# KiCad board mobo.kicad_pcb (continued)
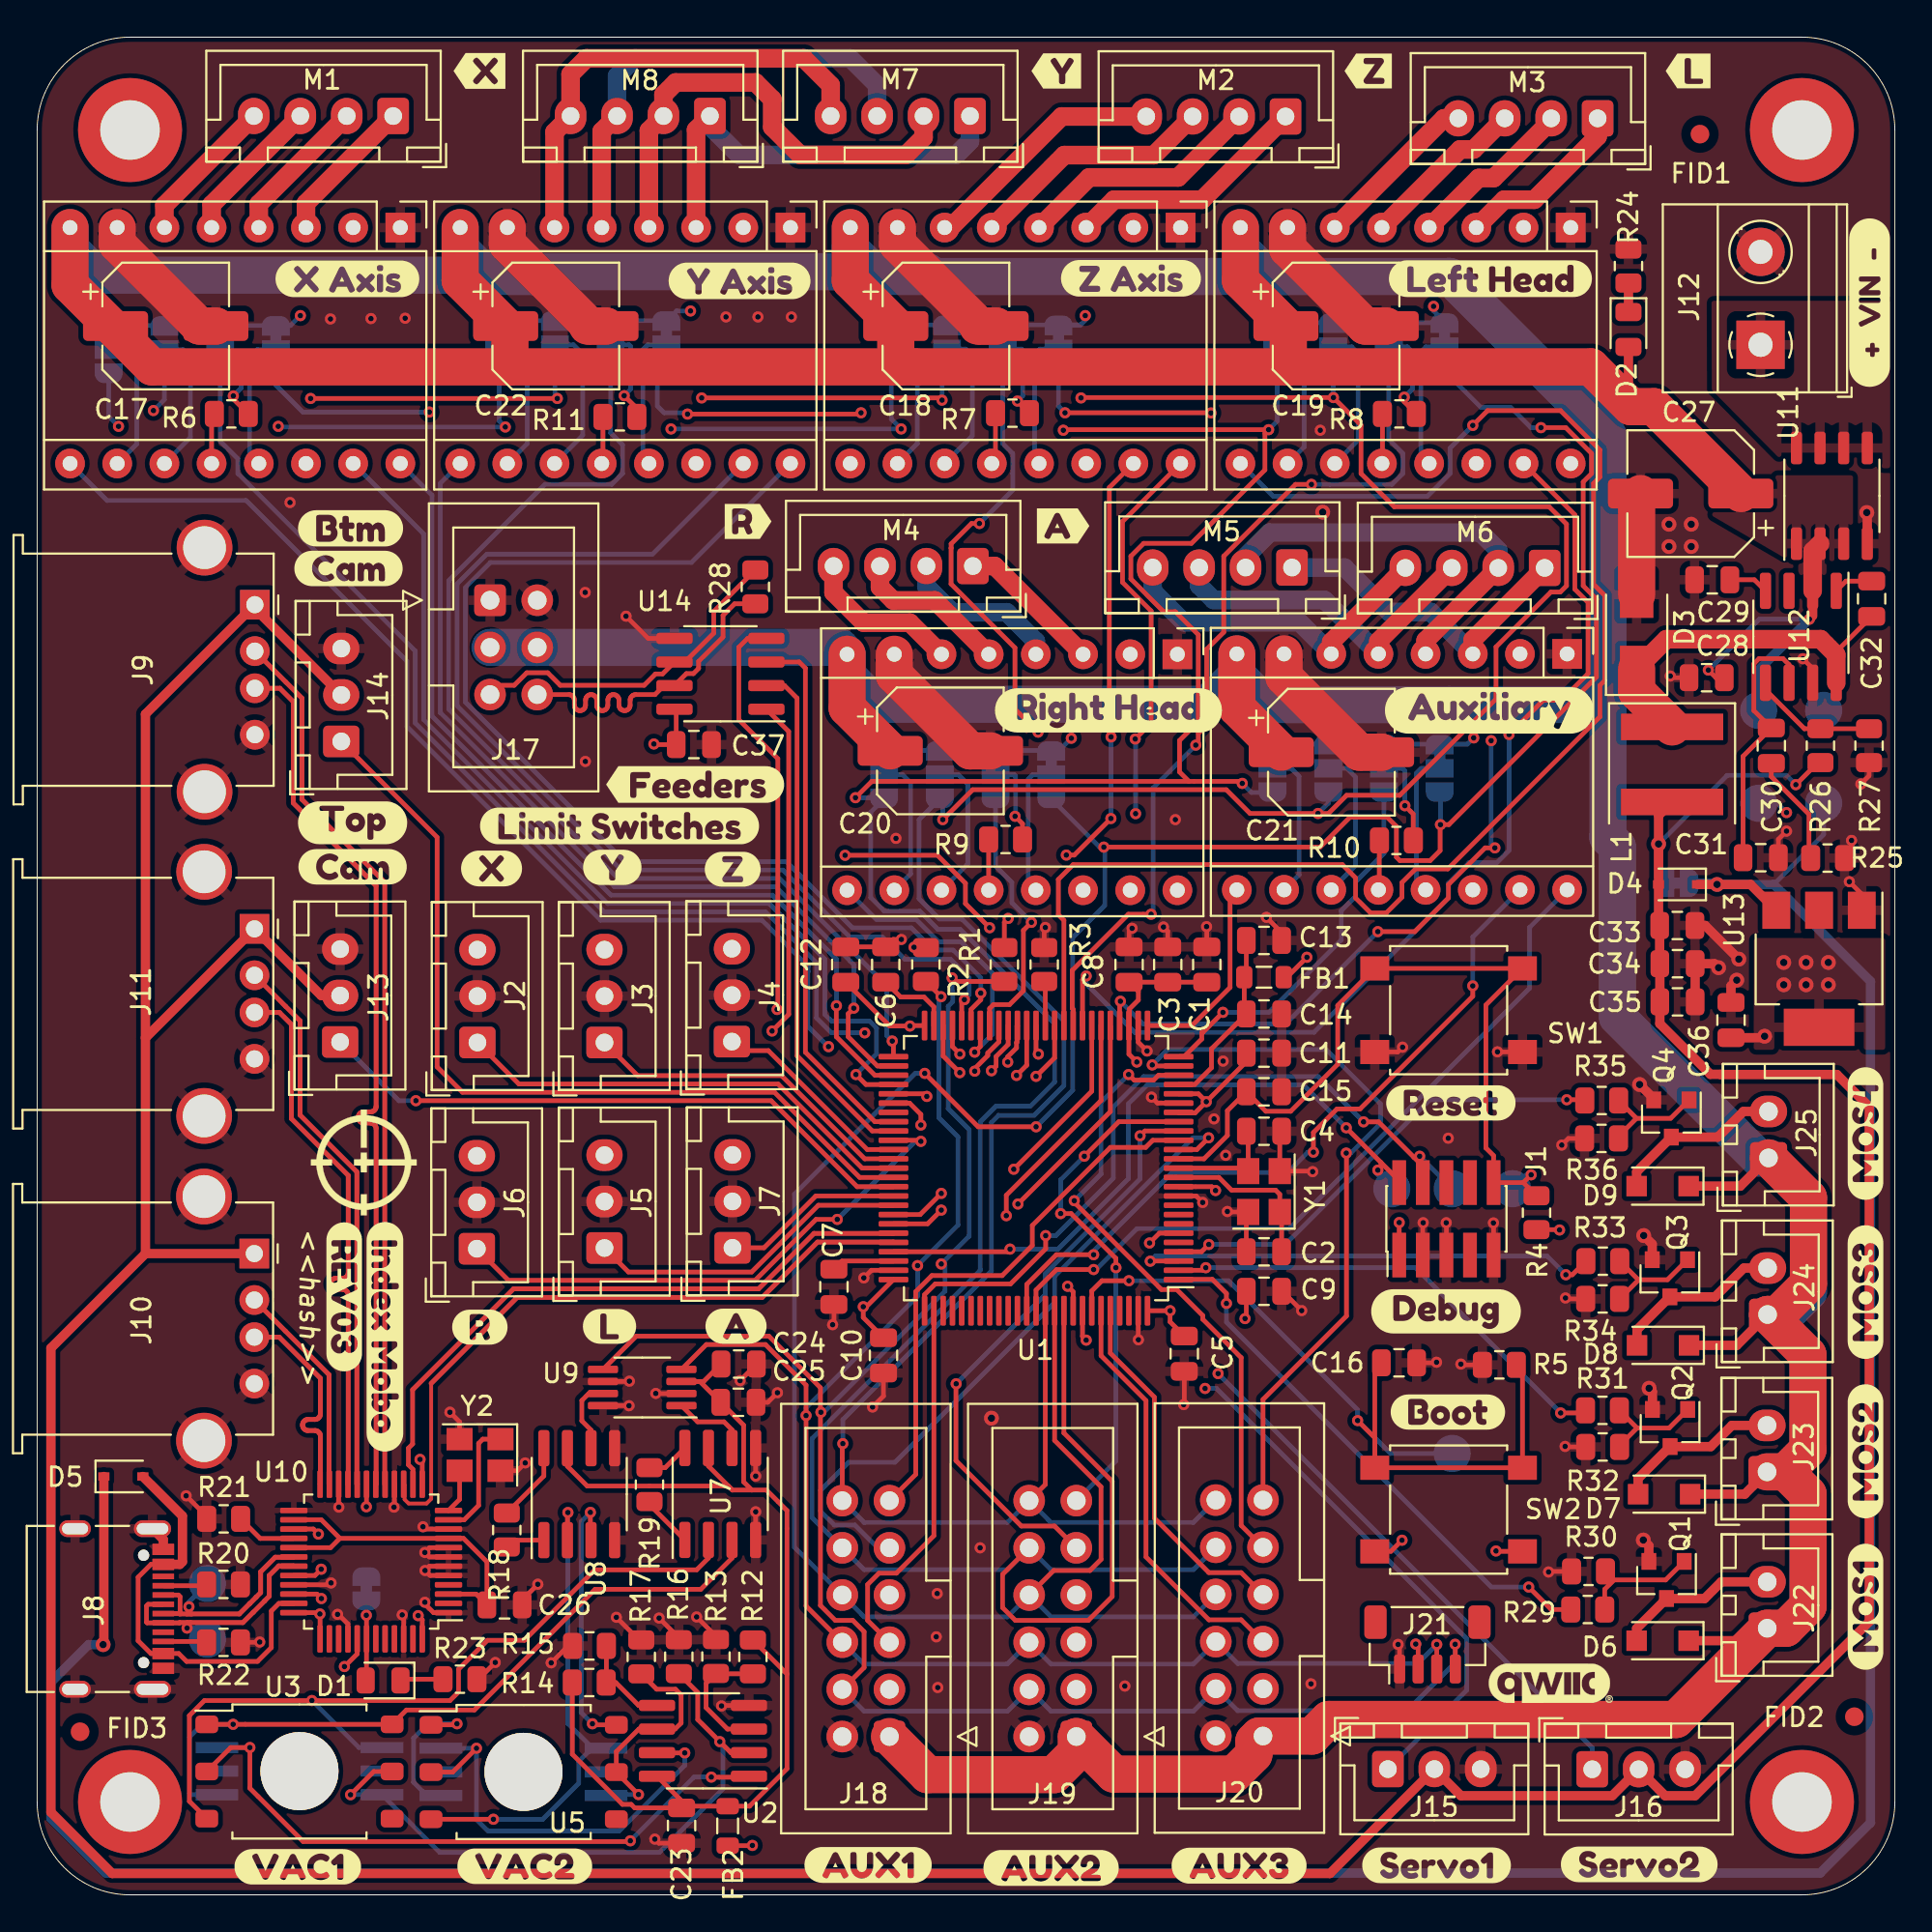
[diagram p0: board, top side]
## Library data of the parts (continued)
R29 R31 R33 R35 = -: Digikey: RHM560AHCT-ND; JLCPCB: C28636; LCSC: C28636; Mouser: 667-ERJ-6ENF5600V
R30 R32 R34 R36 = -: Digikey: 541-36.0KCCT-ND; JLCPCB: C4360; LCSC: C139879; Mouser: 71-CRCW080536K0FKEA
SW1 SW2 = -: Digikey: SW415-ND; JLCPCB: C83206; LCSC: C83206; Mouser: 653-B3S-1000P
U1 = -: Digikey: 497-12075-ND; JLCPCB: C28730; LCSC: C28730; Mouser: 511-STM32F407VET6
U2 = -: Digikey: 296-7194-1-ND; JLCPCB: C6962; LCSC: C6962; Mouser: 595-TL072IDR
U3 U5 = -: Config: -2SMPP
U4 U6 = -: Config: +2SMPP; Digikey: Z3639-ND; Mouser: 653-2SMPP-03
U7 U8 = -: Digikey: 296-26057-1-ND; JLCPCB: C22233; LCSC: C22233; Mouser: 595-INA128U/2K5
U9 = -: Digikey: MCP3426A0T-E/MSCT-ND; JLCPCB: C480629; LCSC: C480629; Mouser: 579-MCP3426A0TE/MS
U10 = -: Digikey: 1016-2188-1-ND; JLCPCB: C28958; LCSC: C28958; Mouser: 701-XR22414CV48TR-F
U11 = -: Digikey: FDS4435BZCT-ND; JLCPCB: C23931; LCSC: C23931; Mouser: 512-FDS4435BZ
U12 = -: Digikey: 296-26991-1-ND; JLCPCB: C9865; LCSC: C9865; Mouser: 595-TPS54331DR; Notes: Can use the tube version 296-23626-5-ND
U13 = -: Digikey: ZLDO1117G33DICT-ND; JLCPCB: C108785; LCSC: C108785; Mouser: 522-ZLDO1117G33TA
U14 = -: Digikey: MAX3078EASA+-ND; JLCPCB: C40031; LCSC: C40031; Mouser: 700-MAX3078EESA
Y1 = -: Digikey: 50-ECS-80-10-33-CHN-CT-ND; JLCPCB: C57131; LCSC: C518155; Mouser: 520-ECS-80-1033CHNTR
Y2 = -: JLCPCB: C9002; LCSC: C9002

## Footprints (pads in the part's own frame, mm; a bottom-side part is the same pattern mirrored in y, then rotated)
2SMPP-03
  round 4.2 hole 4.2: (0,0)
  rect 2.3x0.6 smd: 1(-4.445,1.27) 2(-4.445,0) 3(-4.445,-1.27) 4(4.445,-1.27) 5(4.445,0) 6(4.445,1.27)
C_0805_2012Metric
  rrect 1x1.45 smd: 1(-0.95,0) 2(0.95,0)
CP_Elec_6.3x7.7
  rrect 3.5x1.6 smd: 1(-2.7,0) 2(2.7,0)
Crystal_SMD_3225-4Pin_3.2x2.5mm
  rect 1.4x1.2 smd: 1(-1.1,-0.85) 2(1.1,-0.85) 3(1.1,0.85) 4(-1.1,0.85)
D_SMA
  rect 2.5x1.8 smd: 1(-2,0) 2(2,0)
D_SOD-123F
  rect 1.1x1.1 smd: 1(-1.4,0) 2(1.4,0)
D_SOD-323
  rect 0.6x0.45 smd: 1(-1.05,0) 2(1.05,0)
Fiducial_1mm_Mask2mm
  round 1 smd: (0,0)
IDC-Header_2x03_P2.54mm_Vertical
  rrect 1.7x1.7 hole 1: 1(0,0)
  round 1.7 hole 1: 2(2.54,0) 3(0,-2.54) 4(2.54,-2.54) 5(0,-5.08) 6(2.54,-5.08)
IDC-Header_2x06_P2.54mm_Vertical
  rrect 1.7x1.7 hole 1: 1(0,0)
  round 1.7 hole 1: 2(2.54,0) 3(0,-2.54) 4(2.54,-2.54) 5(0,-5.08) 6(2.54,-5.08) 7(0,-7.62) 8(2.54,-7.62) 9(0,-10.16) 10(2.54,-10.16) 11(0,-12.7) 12(2.54,-12.7)
JST_SH_BM04B-SRSS-TB_1x04-1MP_P1.00mm_Vertical
  rrect 0.6x1.55 smd: 1(-1.5,-1.325) 2(-0.5,-1.325) 3(0.5,-1.325) 4(1.5,-1.325)
  rrect 1.2x1.8 smd: MP(-2.8,1.2) MP(2.8,1.2)
JST_XH_B2B-XH-A_1x02_P2.50mm_Vertical
  rrect 1.7x2 hole 1: 1(0,0)
  oval 1.7x2 hole 1: 2(2.5,0)
JST_XH_B3B-XH-A_1x03_P2.50mm_Vertical
  rrect 1.7x1.95 hole 0.95: 1(0,0)
  oval 1.7x1.95 hole 0.95: 2(2.5,0) 3(5,0)
JST_XH_B4B-XH-A_1x04_P2.50mm_Vertical
  rrect 1.7x1.95 hole 0.95: 1(0,0)
  oval 1.7x1.95 hole 0.95: 2(2.5,0) 3(5,0) 4(7.5,0)
L_0805_2012Metric
  rrect 0.875x1.2 smd: 1(-1.062,0) 2(1.062,0)
L_Coilcraft_XAL60xx_6.36x6.56mm
  rect 1.43x5.5 smd: 1(-2.02,0) 2(2.02,0)
LED_0805_2012Metric
  rrect 0.975x1.4 smd: 1(-0.938,0) 2(0.938,0)
LQFP-48_7x7mm_P0.5mm
  rrect 1.475x0.3 smd: 1(-4.162,2.75) 2(-4.162,2.25) 3(-4.162,1.75) 4(-4.162,1.25) 5(-4.162,0.75) 6(-4.162,0.25) 7(-4.162,-0.25) 8(-4.162,-0.75) 9(-4.162,-1.25) 10(-4.162,-1.75) 11(-4.162,-2.25) 12(-4.162,-2.75) 25(4.162,-2.75) 26(4.162,-2.25) 27(4.162,-1.75) 28(4.162,-1.25) 29(4.162,-0.75) 30(4.162,-0.25) 31(4.162,0.25) 32(4.162,0.75) 33(4.162,1.25) 34(4.162,1.75) 35(4.162,2.25) 36(4.162,2.75)
  rrect 0.3x1.475 smd: 13(-2.75,-4.162) 14(-2.25,-4.162) 15(-1.75,-4.162) 16(-1.25,-4.162) 17(-0.75,-4.162) 18(-0.25,-4.162) 19(0.25,-4.162) 20(0.75,-4.162) 21(1.25,-4.162) 22(1.75,-4.162) 23(2.25,-4.162) 24(2.75,-4.162) 37(2.75,4.162) 38(2.25,4.162) 39(1.75,4.162) 40(1.25,4.162) 41(0.75,4.162) 42(0.25,4.162) 43(-0.25,4.162) 44(-0.75,4.162) 45(-1.25,4.162) 46(-1.75,4.162) 47(-2.25,4.162) 48(-2.75,4.162)
LQFP-100_14x14mm_P0.5mm
  rrect 1.6x0.3 smd: 1(-7.675,6) 2(-7.675,5.5) 3(-7.675,5) 4(-7.675,4.5) 5(-7.675,4) 6(-7.675,3.5) 7(-7.675,3) 8(-7.675,2.5) 9(-7.675,2) 10(-7.675,1.5) 11(-7.675,1) 12(-7.675,0.5) 13(-7.675,0) 14(-7.675,-0.5) 15(-7.675,-1) 16(-7.675,-1.5) 17(-7.675,-2) 18(-7.675,-2.5) 19(-7.675,-3) 20(-7.675,-3.5) 21(-7.675,-4) 22(-7.675,-4.5) 23(-7.675,-5) 24(-7.675,-5.5) 25(-7.675,-6) 51(7.675,-6) 52(7.675,-5.5) 53(7.675,-5) 54(7.675,-4.5) 55(7.675,-4) 56(7.675,-3.5) 57(7.675,-3) 58(7.675,-2.5) 59(7.675,-2) 60(7.675,-1.5) 61(7.675,-1) 62(7.675,-0.5) 63(7.675,0) 64(7.675,0.5) 65(7.675,1) 66(7.675,1.5) 67(7.675,2) 68(7.675,2.5) 69(7.675,3) 70(7.675,3.5) 71(7.675,4) 72(7.675,4.5) 73(7.675,5) 74(7.675,5.5) 75(7.675,6)
  rrect 0.3x1.6 smd: 26(-6,-7.675) 27(-5.5,-7.675) 28(-5,-7.675) 29(-4.5,-7.675) 30(-4,-7.675) 31(-3.5,-7.675) 32(-3,-7.675) 33(-2.5,-7.675) 34(-2,-7.675) 35(-1.5,-7.675) 36(-1,-7.675) 37(-0.5,-7.675) 38(0,-7.675) 39(0.5,-7.675) 40(1,-7.675) 41(1.5,-7.675) 42(2,-7.675) 43(2.5,-7.675) 44(3,-7.675) 45(3.5,-7.675) 46(4,-7.675) 47(4.5,-7.675) 48(5,-7.675) 49(5.5,-7.675) 50(6,-7.675) 76(6,7.675) 77(5.5,7.675) 78(5,7.675) 79(4.5,7.675) 80(4,7.675) 81(3.5,7.675) 82(3,7.675) 83(2.5,7.675) 84(2,7.675) 85(1.5,7.675) 86(1,7.675) 87(0.5,7.675) 88(0,7.675) 89(-0.5,7.675) 90(-1,7.675) 91(-1.5,7.675) 92(-2,7.675) 93(-2.5,7.675) 94(-3,7.675) 95(-3.5,7.675) 96(-4,7.675) 97(-4.5,7.675) 98(-5,7.675) 99(-5.5,7.675) 100(-6,7.675)
MountingHole_3.2mm_M3_DIN965_Pad
  round 5.6 hole 3.2: 1(0,0)
MSOP-8_3x3mm_P0.65mm
  rrect 1.625x0.4 smd: 1(-2.112,0.975) 2(-2.112,0.325) 3(-2.112,-0.325) 4(-2.112,-0.975) 5(2.112,-0.975) 6(2.112,-0.325) 7(2.112,0.325) 8(2.112,0.975)
PinHeader_2x05_P1.27mm_Vertical_SMD
  rect 2.4x0.74 smd: 1(-1.95,2.54) 2(1.95,2.54) 3(-1.95,1.27) 4(1.95,1.27) 5(-1.95,0) 6(1.95,0) 7(-1.95,-1.27) 8(1.95,-1.27) 9(-1.95,-2.54) 10(1.95,-2.54)
Pololu_Breakout-16_15.2x20.3mm
  rect 1.6x1.6 hole 0.8: 1(0,0)
  oval 1.6x1.6 hole 0.8: 2(0,-2.54) 3(0,-5.08) 4(0,-7.62) 5(0,-10.16) 6(0,-12.7) 7(0,-15.24) 8(0,-17.78) 9(12.7,-17.78) 10(12.7,-15.24) 11(12.7,-12.7) 12(12.7,-10.16) 13(12.7,-7.62) 14(12.7,-5.08) 15(12.7,-2.54) 16(12.7,0)
R_0805_2012Metric
  rrect 1.025x1.4 smd: 1(-0.912,0) 2(0.912,0)
SO-6_7x7mm_P2.54mm
  rrect 1.225x0.95 smd: 1(-4.987,2.54) 2(-4.987,0) 3(-4.987,-2.54) 4(4.987,-2.54) 5(4.987,0) 6(4.987,2.54)
SO-8_3.9x4.9mm_P1.27mm
  rrect 1.75x0.6 smd: 1(-2.575,1.905) 2(-2.575,0.635) 3(-2.575,-0.635) 4(-2.575,-1.905) 5(2.575,-1.905) 6(2.575,-0.635) 7(2.575,0.635) 8(2.575,1.905)
SOIC-8_3.9x4.9mm_P1.27mm
  rrect 1.95x0.6 smd: 1(-2.475,1.905) 2(-2.475,0.635) 3(-2.475,-0.635) 4(-2.475,-1.905) 5(2.475,-1.905) 6(2.475,-0.635) 7(2.475,0.635) 8(2.475,1.905)
SolderJumper-2_P1.3mm_Bridged_RoundedPad1.0x1.5mm
  custom 1x0.5 smd: 1(-0.65,0) 2(0.65,0)
SolderJumper-3_P1.3mm_Bridged12_RoundedPad1.0x1.5mm
  custom 1x0.5 smd: 1(-1.3,0) 3(1.3,0)
  rect 1x1.5 smd: 2(0,0)
SolderJumper-3_P1.3mm_Bridged23_RoundedPad1.0x1.5mm
  custom 1x0.5 smd: 1(-1.3,0) 3(1.3,0)
  rect 1x1.5 smd: 2(0,0)
SolderJumper-3_P1.3mm_Open_RoundedPad1.0x1.5mm
  custom 1x0.5 smd: 1(-1.3,0) 3(1.3,0)
  rect 1x1.5 smd: 2(0,0)
SOT-23
  rect 0.9x0.8 smd: 1(-1,0.95) 2(-1,-0.95) 3(1,0)
SOT-223-3_TabPin2
  rect 2x1.5 smd: 1(-3.15,2.3) 2(-3.15,0) 3(-3.15,-2.3)
  rect 2x3.8 smd: 2(3.15,0)
SW_SPST_B3S-1000
  rect 1.55x1.3 smd: 1(-3.975,2.25) 1(3.975,2.25) 2(-3.975,-2.25) 2(3.975,-2.25)
TerminalBlock_Phoenix_MKDS-1,5-2_1x02_P5.00mm_Horizontal
  rect 2.6x2.6 hole 1.3: 1(0,0)
  round 2.6 hole 1.3: 2(5,0)
TestPoint_Pad_D2.0mm
  round 2 smd: 1(0,0)
USB_A_Stewart_SS-52100-001_Horizontal
  rect 1.6x1.6 hole 0.92: 1(0,0)
  round 1.6 hole 0.92: 2(2.5,0) 3(4.5,0) 4(7,0)
  round 3 hole 2.3: 5(-3.07,-2.71) 5(10.07,-2.71)
USB_C_Receptacle_Palconn_UTC16-G
  round 0.6 hole 0.6 unplated: (-2.89,1.45) (2.89,1.45)
  rect 0.6x1.16 smd: A1(-3.2,2.51) A4(-2.4,2.51) A9(2.4,2.51) A12(3.2,2.51) B1(3.2,2.51) B4(2.4,2.51) B9(-2.4,2.51) B12(-3.2,2.51)
  rect 0.3x1.16 smd: A5(-1.25,2.51) A6(-0.25,2.51) A7(0.25,2.51) A8(1.25,2.51) B5(1.75,2.51) B6(0.75,2.51) B7(-0.75,2.51) B8(-1.75,2.51)
  oval 0.9x2 hole 0.6x1.7: S1(-4.32,1.93) S1(4.32,1.93)
  oval 0.9x1.7 hole 0.6x1.4: S1(-4.32,-2.24) S1(4.32,-2.24)

## Nets
+3.3VA: C13.1 C14.1 FB1.1 U1.22
+3.3VADC: C23.1 C24.1 C25.1 FB2.1 R12.1 R14.1 U2.8 U7.7 U8.7 U9.3
+3V3: A1.2 A1.14 A2.2 A2.14 A3.2 A3.14 A4.2 A4.14 A5.2 A5.14 A6.2 A6.14 C1.1 C3.1 C5.1 C8.1 C9.1 C10.1 C11.1 C12.1 C36.1 C37.1 FB1.2 FB2.2 J1.1 J2.3 J3.3 J4.3 J5.3 J6.3 J7.3 J18.3 J19.3 J20.3 J21.2 JP1.1 JP2.1 JP3.1 JP4.1 JP5.1 JP6.1 JP7.1 JP8.1 JP9.1 JP10.1 JP11.1 JP12.1 JP13.1 JP14.1 JP15.1 JP16.1 JP17.1 JP18.1 JP19.1 JP20.1 JP21.1 JP22.1 JP23.1 JP24.1 R1.1 R2.1 R4.1 SW2.2 TP10.1 U1.6 U1.11 U1.19 U1.21 U1.28 U1.50 U1.75 U1.100 U10.13 U10.19 U10.27 U10.32 U10.34 U10.36 U10.37 U10.41 U10.48 U13.2 U14.8
+5V: D4.1 D5.1 JP26.2 TP9.1 U13.3
+5VP: C33.2 C34.2 C35.2 D4.2 J9.1 J10.1 J11.1 J13.2 J14.2 J15.2 J16.2 JP26.1 L1.2 R26.1
GND: A1.1 A1.7 A2.1 A2.7 A3.1 A3.7 A4.1 A4.7 A5.1 A5.7 A6.1 A6.7 C1.2 C2.2 C3.2 C4.2 C5.2 C6.2 C7.2 C8.2 C9.2 C10.2 C11.2 C12.2 C13.2 C14.2 C15.2 C16.2 C17.2 C18.2 C19.2 C20.2 C21.2 C22.2 C23.2 C24.2 C25.2 C26.2 C27.2 C28.1 C29.1 C31.1 C33.1 C34.1 C35.1 C36.2 C37.2 D3.2 J1.3 J1.5 J1.9 J2.2 J3.2 J4.2 J5.2 J6.2 J7.2 J8.A1 J8.A12 J8.B1 J8.B12 J8.S1 J9.4 J9.5 J10.4 J10.5 J11.4 J11.5 J12.2 J13.3 J14.3 J15.3 J16.3 J17.1 J17.2 J18.2 J19.2 J20.2 J21.1 JP25.2 Q1.2 Q2.2 Q3.2 Q4.2 R3.2 R5.2 R13.2 R15.2 R16.2 R17.2 R20.2 R21.2 R22.2 R23.2 R24.2 R25.2 R27.2 R30.1 R32.1 R34.1 R36.1 SW1.1 TP7.1 U1.10 U1.20 U1.27 U1.74 U1.99 U2.4 U7.4 U7.5 U8.4 U8.5 U9.2 U9.6 U9.8 U10.1 U10.5 U10.6 U10.7 U10.8 U10.10 U10.16 U10.22 U10.25 U10.33 U10.40 U10.46 U11.4 U12.7 U13.1 U14.5 Y1.2 Y1.4 Y2.2 Y2.4
VBUS: D5.2 J8.A4 J8.A9 J8.B4 J8.B9 U10.35
/Aux headers/1_A1: J18.9 U1.15
/Aux headers/1_A2: J18.11 U1.16
/Aux headers/1_PWM1: J18.5 U1.77
/Aux headers/1_PWM2: J18.7 U1.30
/Aux headers/2_A1: J19.9 U1.17
/Aux headers/2_A2: J19.11 U1.18
/Aux headers/2_PWM1: J19.5 U1.31
/Aux headers/2_PWM2: J19.7 U1.32
/Aux headers/3_A1: J20.9 U1.23
/Aux headers/3_A2: J20.11 U1.24
/Aux headers/3_PWM1: J20.5 U1.95
/Aux headers/3_PWM2: J20.7 U1.96
/Aux headers/CIPO: J18.8 J19.8 J20.8 JP4.3 JP8.3 JP12.3 JP16.3 JP20.3 JP24.3 U1.90
/Aux headers/COPI: J18.10 J19.10 J20.10 JP1.3 JP5.3 JP9.3 JP13.3 JP17.3 JP21.3 U1.91
/Aux headers/SCK: J18.12 J19.12 J20.12 JP3.3 JP7.3 JP11.3 JP15.3 JP19.3 JP23.3 U1.89
/Lighting/DOWNWARDS: J13.1 U1.65
/Lighting/UPWARDS: J14.1 U1.64
/Limit switches/A: J7.1 U1.66
/Limit switches/L: J5.1 U1.67
/Limit switches/R: J6.1 U1.60
/Limit switches/X: J2.1 U1.63
/Limit switches/Y: J3.1 U1.62
/Limit switches/Z: J4.1 U1.61
/Microcontroller/BOOT0: C16.1 R5.1 SW2.1 TP6.1 U1.94
/Microcontroller/BOOT1: R3.1 U1.37
/Microcontroller/NRST: C15.1 J1.10 R4.2 SW1.2 TP3.1 U1.14
/Microcontroller/PA2: JP18.3 U1.25
/Microcontroller/PA3: A5.9 U1.26
/Microcontroller/PA4: A3.16 U1.29
/Microcontroller/PA9_USART1_TX: U1.68 U14.4
/Microcontroller/PA10_USART1_RX: U1.69 U14.1
/Microcontroller/PB0: A3.9 U1.35
/Microcontroller/PB1: A2.16 U1.36
/Microcontroller/PB6_I2C1_SCL: J18.4 J19.4 J20.4 J21.4 R1.2 U1.92 U9.5
/Microcontroller/PB7_I2C1_SDA: J18.6 J19.6 J20.6 J21.3 R2.2 U1.93 U9.4
/Microcontroller/PB10: J15.1 U1.47
/Microcontroller/PB11: J16.1 U1.48
/Microcontroller/PB12: JP22.3 U1.51
/Microcontroller/PB13: A6.9 U1.52
/Microcontroller/PB14: A1.16 U1.53
/Microcontroller/PB15: A1.15 U1.54
/Microcontroller/PC4: A3.15 U1.33
/Microcontroller/PC5: JP10.3 U1.34
/Microcontroller/PD6: A5.15 U1.87
/Microcontroller/PD7: A5.16 U1.88
/Microcontroller/PD8: JP2.3 U1.55
/Microcontroller/PD9: A1.9 U1.56
/Microcontroller/PD11: U1.58 U14.3
/Microcontroller/PD12: U1.59 U14.2
/Microcontroller/PE2: R29.1 U1.1
/Microcontroller/PE3: R31.1 U1.2
/Microcontroller/PE4: R33.1 U1.3
/Microcontroller/PE5: R35.1 U1.4
/Microcontroller/PE7: A2.15 U1.38
/Microcontroller/PE8: JP6.3 U1.39
/Microcontroller/PE9: A2.9 U1.40
/Microcontroller/PE10: A4.16 U1.41
/Microcontroller/PE11: A4.15 U1.42
/Microcontroller/PE12: JP14.3 U1.43
/Microcontroller/PE13: A4.9 U1.44
/Microcontroller/PE14: A6.16 U1.45
/Microcontroller/PE15: A6.15 U1.46
/Microcontroller/SWCLK: J1.4 TP4.1 U1.76
/Microcontroller/SWDIO: J1.2 TP5.1 U1.72
/Microcontroller/USB_D+: U1.71 U10.15
/Microcontroller/USB_D-: U1.70 U10.14
/Motor control/Motor AUX/1A: A5.4 M5.2 M6.2
/Motor control/Motor AUX/1B: A5.3 M5.1 M6.1
/Motor control/Motor AUX/2A: A5.5 M5.3 M6.3
/Motor control/Motor AUX/2B: A5.6 M5.4 M6.4
/Motor control/Motor AUX/MS0: A5.10 JP17.2
/Motor control/Motor AUX/MS1: A5.11 JP19.2
/Motor control/Motor AUX/MS2: JP18.2 R10.2
/Motor control/Motor AUX/RESET: A5.13 JP20.2
/Motor control/Motor left/1A: A3.4 M3.2
/Motor control/Motor left/1B: A3.3 M3.1
/Motor control/Motor left/2A: A3.5 M3.3
/Motor control/Motor left/2B: A3.6 M3.4
/Motor control/Motor left/MS0: A3.10 JP9.2
/Motor control/Motor left/MS1: A3.11 JP11.2
/Motor control/Motor left/MS2: JP10.2 R8.2
/Motor control/Motor left/RESET: A3.13 JP12.2
/Motor control/Motor right/1A: A4.4 M4.2
/Motor control/Motor right/1B: A4.3 M4.1
/Motor control/Motor right/2A: A4.5 M4.3
/Motor control/Motor right/2B: A4.6 M4.4
/Motor control/Motor right/MS0: A4.10 JP13.2
/Motor control/Motor right/MS1: A4.11 JP15.2
/Motor control/Motor right/MS2: JP14.2 R9.2
/Motor control/Motor right/RESET: A4.13 JP16.2
/Motor control/Motor X/1A: A1.4 M1.2
/Motor control/Motor X/1B: A1.3 M1.1
/Motor control/Motor X/2A: A1.5 M1.3
/Motor control/Motor X/2B: A1.6 M1.4
/Motor control/Motor X/MS0: A1.10 JP1.2
/Motor control/Motor X/MS1: A1.11 JP3.2
/Motor control/Motor X/MS2: JP2.2 R6.2
/Motor control/Motor X/RESET: A1.13 JP4.2
/Motor control/Motor Y/1A: A6.4 M7.2 M8.2
/Motor control/Motor Y/1B: A6.3 M7.1 M8.1
/Motor control/Motor Y/2A: A6.5 M7.3 M8.3
/Motor control/Motor Y/2B: A6.6 M7.4 M8.4
/Motor control/Motor Y/MS0: A6.10 JP21.2
/Motor control/Motor Y/MS1: A6.11 JP23.2
/Motor control/Motor Y/MS2: JP22.2 R11.2
/Motor control/Motor Y/RESET: A6.13 JP24.2
/Motor control/Motor Z/1A: A2.4 M2.2
/Motor control/Motor Z/1B: A2.3 M2.1
/Motor control/Motor Z/2A: A2.5 M2.3
/Motor control/Motor Z/2B: A2.6 M2.4
/Motor control/Motor Z/MS0: A2.10 JP5.2
/Motor control/Motor Z/MS1: A2.11 JP7.2
/Motor control/Motor Z/MS2: JP6.2 R7.2
/Motor control/Motor Z/RESET: A2.13 JP8.2
/RS485/RS-485+: J17.5 R28.1 U14.6
/RS485/RS-485-: J17.6 R28.2 U14.7
/USB/1.8: C26.1 U10.3 U10.9 U10.26 U10.29
/USB/1D+: J10.3 U10.24
/USB/1D-: J10.2 U10.23
/USB/2D+: J11.3 U10.21
/USB/2D-: J11.2 U10.20
/USB/3D+: J9.3 U10.18
/USB/3D-: J9.2 U10.17
/USB/DRV: D1.2 JP25.1 U10.42
/USB/MD+: J8.A6 J8.B6 TP2.1 U10.31
/USB/MD-: J8.A7 J8.B7 TP1.1 U10.30
/Vacuum sensors/Vacuum sensor 1/OUT: U7.6 U9.1
/Vacuum sensors/Vacuum sensor 2/OUT: U8.6 U9.7
VDC: A1.8 A2.8 A3.8 A4.8 A5.8 A6.8 C17.1 C18.1 C19.1 C20.1 C21.1 C22.1 C27.1 C28.2 D2.2 D6.1 D7.1 D8.1 D9.1 J17.3 J17.4 J18.1 J19.1 J20.1 J22.1 J23.1 J24.1 J25.1 TP8.1 U11.1 U11.2 U11.3 U12.2
Net-(A1-Pad12): A1.12 R6.1
Net-(A2-Pad12): A2.12 R7.1
Net-(A3-Pad12): A3.12 R8.1
Net-(A4-Pad12): A4.12 R9.1
Net-(A5-Pad12): A5.12 R10.1
Net-(A6-Pad12): A6.12 R11.1
Net-(C2-Pad1): C2.1 U1.12 Y1.1
Net-(C4-Pad1): C4.1 U1.13 Y1.3
Net-(C6-Pad1): C6.1 U1.49
Net-(C7-Pad1): C7.1 U1.73
Net-(C29-Pad2): C29.2 U12.4
Net-(C30-Pad1): C30.1 R25.1
Net-(C30-Pad2): C30.2 C31.2 U12.6
Net-(C32-Pad1): C32.1 U12.1
Net-(C32-Pad2): C32.2 D3.1 L1.1 U12.8
Net-(D1-Pad1): D1.1 R23.1
Net-(D2-Pad1): D2.1 R24.1
Net-(D6-Pad2): D6.2 J22.2 Q1.3
Net-(D7-Pad2): D7.2 J23.2 Q2.3
Net-(D8-Pad2): D8.2 J24.2 Q3.3
Net-(D9-Pad2): D9.2 J25.2 Q4.3
Net-(J8-PadA5): J8.A5 R20.1
Net-(J8-PadB5): J8.B5 R22.1
Net-(J12-Pad1): J12.1 U11.5 U11.6 U11.7 U11.8
Net-(Q1-Pad1): Q1.1 R29.2 R30.2
Net-(Q2-Pad1): Q2.1 R31.2 R32.2
Net-(Q3-Pad1): Q3.1 R33.2 R34.2
Net-(Q4-Pad1): Q4.1 R35.2 R36.2
Net-(R12-Pad2): R12.2 R13.1 U2.3
Net-(R14-Pad2): R14.2 R15.1 U2.5
Net-(R16-Pad1): R16.1 U2.2 U3.5 U6.3
Net-(R17-Pad1): R17.1 U2.6 U4.3 U5.5
Net-(R18-Pad1): R18.1 U8.1
Net-(R18-Pad2): R18.2 U8.8
Net-(R19-Pad1): R19.1 U7.1
Net-(R19-Pad2): R19.2 U7.8
Net-(R21-Pad1): R21.1 U10.28
Net-(R26-Pad2): R26.2 R27.1 U12.5
Net-(U2-Pad1): U2.1 U3.2 U6.6
Net-(U2-Pad7): U2.7 U4.6 U5.2
Net-(U3-Pad1): U3.1 U3.6 U6.4 U7.3
Net-(U3-Pad3): U3.3 U6.1 U7.2
Net-(U4-Pad1): U4.1 U5.3 U8.2
Net-(U4-Pad4): U4.4 U5.1 U5.6 U8.3
Net-(U10-Pad11): U10.11 Y2.1
Net-(U10-Pad12): U10.12 Y2.3

Pads without a net: H1 1; H2 1; H3 1; H4 1; J1 6 7 8; J8 A8 B8; J21 MP; U1 5 7 8 9 57 78 79 80 81 82 83 84 85 86 97 98; U3 4; U4 2 5; U5 4; U6 2 5; U10 2 4 38 39 43 44 45 47; U12 3

## Via types
v1: diameter 0.8, hole 0.4, Top to Bottom, 24 vias
v2: diameter 0.6, hole 0.3, Top to Bottom, 268 vias

## Routing (per net, layer and track width the routed paths; a pad name or vN(x,y) marks a point on that pad's centre or on a via; arc(x,y) is an arc through that point)
+3.3VA: length 9.9
  Top w0.25: C13.1 65.09,49.51 FB1.1 64.98,47.53 C14.1 63.21,45.54 63.21,44.52 62.31,43.62 U1.22
+3.3VADC: length 63.3
  Top w0.25: R12.1 40.37,11.89 ; 40.37,11.89 40.37,20.68 39.26,21.79 38.47,21.79 ; 40.37,11.89 40.37,6.79 38.35,4.77 FB2.1 34.78,4.77 C23.1 ; C24.1 35.88,27.63 U9.3 35.67,27.63 C25.1 38.03,25.28 38.03,22.23 38.47,21.79 ; U7.7 36.14,23.08 37.42,21.79 ; U8.7 28.55,23.07 29.61,22.01 37.21,22.01 37.42,21.79 ; 37.42,21.79 38.47,21.79 ; C23.1 32.16,4.68 31.97,4.87 31.51,4.87 28.81,7.57 R14.1 ; C23.1 34.69,5.06 U2.8
+3V3: length 131.8
  Top w0.25: v2(62.94,42.69) 62.34,42.1 61.47,42.1 U1.19 ; v2(62.94,42.69) 65.09,44.85 C11.1 ; v2(62.94,42.69) 62.51,43.12 U1.21 ; U1.75 44.64,31.66 v2(44.47,31.66) 44.47,31.08 C10.1 ; FB1.2 67.28,49.4 v2(68.35,50.47) ; v2(59.19,44.83) 58.77,45.26 U1.28 58.79,46.82 58.79,47.69 59.28,48.17 59.28,48.63 C8.1 C3.1 C1.1 ; U10.13 20.73,23.32 v2(20.61,23.44) ; v2(78.53,18.51) 78.55,18.49 SW2.2 ; C12.1 45.89,46.77 v2(46.98,46.77) 47.01,46.8 U1.50 ; v2(63.43,37.91) 63.23,38.12 U1.11 ; U10.41 17.23,12.97 16.55,12.29 v2(16.54,12.29) ; v2(20.51,15.03) 20.73,14.81 U10.48 ; v2(47.2,51.01) 47.22,50.99 R2.1 ; J21.2 74.34,13.37 v2(74.21,13.5) ; U10.37 15.23,15.11 v2(15.22,15.12) 15.15,15.19 U10.36 ; FB2.2 38.49,2.65 v2(38.5,2.66) ; C9.1 65.09,31.09 v2(65.02,31.02) ; v2(15.3,15.95) 15.06,16.19 U10.34 ; v2(33.2,61.95) 33.23,61.92 C37.1 34.4,63.73 U14.8 ; v2(15.14,19.42) 14.87,19.69 U10.27 ; U1.100 v2(60.99,31.44) 60.99,30.84 C5.1 ; v2(52.27,52.56) 52.06,52.35 R1.1 ; v2(17.72,20.89) 17.73,20.9 U10.19 ; U10.32 14.95,17.19 v2(15.29,17.53) ; v2(59.88,35.09) 60.41,35.62 U1.6 ; v2(73.47,19.09) 72.87,18.49 SW2.2 ; J1.1 v2(73.32,36.19) ; R4.1 81.93,35.81 v2(81.95,35.79)
  Top w0.5: v1(92.99,46.22) 92.91,46.14 C36.1
  Bottom w0.25: v2(55.67,62.26) 55.01,61.6 JP16.1 54.51,61.6 54.42,61.51 54.33,61.6 JP14.1 JP15.1 JP13.1 ; JP9.1 JP11.1 JP10.1 75.67,84.63 75.67,84.76 75.17,85.26 v2(75.17,85.51) ; v2(56.42,85.01) 56.42,84.76 56.17,84.51 ; 13.64,84.48 v2(14.17,85.01) ; 13.64,84.48 JP4.1 ; 13.64,84.48 JP2.1 JP3.1 JP1.1 ; 56.17,84.51 JP8.1 ; 56.17,84.51 JP6.1 JP7.1 JP5.1 ; JP17.1 JP19.1 JP18.1 JP20.1 76.99,61.94 v2(77.33,62.28) ; JP24.1 33.9,84.74 ; 33.9,84.74 34.42,85.26 v2(35.17,85.26) ; 33.9,84.74 JP22.1 JP23.1 JP21.1 ; v2(94.17,58.26) 93.67,58.76 TP10.1
  vias: v1(94.02,50.19) v1(94.02,48.99) v1(95.22,50.19) v1(95.22,48.99) v1(96.42,50.19) v1(96.42,48.99)
+5V: length 187.9
  Top w0.5: U13.3 92.23,54.39 v1(90.43,54.39) D4.1 ; D5.1 3.59,13.51 v1(3.55,13.47)
  Bottom w0.25: 93.48,54.39 96.17,57.08 TP9.1
  Bottom w0.5: JP26.2 90.36,54.46 v1(90.43,54.39) 93.48,54.39 98.69,49.18 98.69,3.88 95.98,1.17 3.7,1.17 0.74,4.13 0.74,11.44 2.77,13.47 v1(3.55,13.47)
+5VP: length 270.1
  Top w0.25: v2(94.67,59.76) 95.86,60.95 R26.1
  Top w0.5: 5.83,34.52 0.74,29.43 0.74,4.45 4.04,1.15 69.59,1.15 J15.2 76.65,5.33 84.78,5.33 J16.2 87.64,5.33 89.25,5.33 98.62,14.71 98.62,42.42 96.88,44.16 90.61,44.16 90.61,44.17 90.07,44.17 87.35,46.89 C35.2 C34.2 87.34,50.14 C33.2 87.28,52.24 D4.2 v1(87.28,56.57) 87.28,58.1 L1.2 ; 5.83,34.52 5.83,46.13 ; 5.83,34.52 J10.1 ; 5.83,46.13 J11.1 15.29,48.41 J13.2 ; 5.83,46.13 5.83,63.56 J9.1 11.72,69.24 J14.2
  Bottom w0.25: v2(94.67,59.76) 94.17,60.26 90.97,60.26 v1(87.28,56.57)
  Bottom w0.5: v1(87.28,56.57) 87.28,54.81 JP26.1
GND: length 177.7
  Top w0.25: v2(33.25,3) 33.47,2.78 C23.2 ; R22.2 11.96,13.59 v2(11.98,13.61) ; v2(61.72,26.39) 61.75,26.42 C5.2 ; v2(26.27,23.25) 25.85,22.83 Y2.4 ; v2(82.25,24.14) 82.28,24.11 R32.1 ; v2(58.94,52.03) 58.78,51.87 C8.2 ; R3.2 54.21,52.01 v2(54.27,52.07) ; U9.2 33.31,26.99 v2(33.3,26.99) ; U14.5 32.9,67.64 v2(31.7,68.83) ; v2(31.18,14.94) 32.4,13.72 R17.2 ; C10.2 45.56,26.85 v2(44.97,26.26) ; U1.99 59.27,29.89 v2(59.28,29.88) ; v2(60.63,52.1) 60.86,51.87 C3.2 ; R15.2 28.58,13.4 v2(27.67,12.49) ; v2(73.5,45.63) 73.24,45.37 SW1.1 ; v2(46.52,51.43) 46.08,51.43 C6.2 C12.2 ; v2(64.07,36.79) 64.1,36.76 Y1.4 65.09,36.66 C2.2 ; v2(19.65,15.07) 19.73,14.99 U10.46 ; J1.3 74.59,36.16 v2(74.61,36.18) ; v2(75.33,28.67) 75.3,28.64 C16.2 ; v2(82.07,40.36) 82.43,40.72 R36.1 ; R5.2 76.68,28.53 v2(76.64,28.57) ; C24.2 38.72,28.56 v2(37.84,27.68) ; v2(62.74,37.27) 62.39,37.62 U1.10 ; U10.22 16.23,20.88 v2(16.24,20.87) ; v2(19.21,20.87) 19.23,20.89 U10.16 ; J1.9 78.4,36.16 v2(78.39,36.17) ; v2(31.88,27.65) 31.87,27.63 U9.6 ; R30.1 81.39,17.41 v2(81.36,17.38) ; v2(98.17,59.8) 98.61,60.24 R27.2 ; v2(24.66,12.51) 23.76,11.61 R23.2 ; v2(42.82,30.69) 42.89,30.76 C7.2 ; C1.2 62.96,52.11 v2(62.95,52.12) ; v2(20.77,19.81) 20.9,19.69 U10.10 ; v2(82.27,32.13) 82.32,32.08 R34.1 ; U7.5 38.67,22.54 v2(38.68,22.54) ; C31.1 93.73,56.82 v2(94.17,57.26) ; 97.2,55.89 97.67,56.36 v2(97.67,56.76) ; Y2.2 22.74,25.46 v2(22.22,25.98) ; C25.2 39.33,26.51 v2(39.85,27.03) ; v2(59.75,45.42) 59.27,45.9 U1.27 ; U7.4 38.67,20.62 v2(38.68,20.62) ; R13.2 36.54,13.92 v2(35.5,14.96) ; J1.5 75.86,36.17 v2(75.85,36.18) ; J21.1 73.34,13.4 v2(73.26,13.48) ; v2(15.82,16.79) 15.72,16.69 U10.33 ; v2(66.17,52.62) 66.99,51.8 C13.2 ; R21.2 9.13,20.37 v2(8.02,21.48) ; v2(33.48,14.9) 34.54,13.84 R16.2 ; U1.74 44.91,33.62 v2(44.5,33.21) ; v2(26.95,16.72) 26.11,15.88 C26.2 ; U10.8 21.13,18.69 v2(20.87,18.43) 21.11,18.19 U10.7 ; U10.5 21.15,17.19 v2(20.88,17.46) 21.11,17.69 U10.6 ; U2.4 36.87,10.19 v2(36.84,10.17) ; C9.2 67.03,32.49 v2(68.07,31.45) ; v2(31.86,26.33) 31.86,26.34 U9.8 ; C4.2 66.89,41 Y1.2 68.63,38.96 v2(68.66,38.93) ; U13.1 98.22,53.87 v2(97.55,54.54) ; v2(95.05,66.54) 95.58,66.02 U12.7 ; SW1.1 78.62,45.37 v2(78.61,45.38) ; v2(59.98,42.94) 60.31,42.62 U1.20 ; C28.1 88,65.52 v2(87.91,65.61) ; v2(16.17,15.1) 16.21,15.1 16.73,14.58 U10.40 ; U10.1 21.34,15.19 20.87,15.66 v2(20.87,15.75)
  Top w0.5: C35.1 C34.1 90.3,50.12 v1(90.51,49.91) ; v1(91.49,49.24) 91.18,48.93 C36.2 ; Q4.2 87.02,42.86 v1(86.26,43.62) ; Q3.2 86.94,35.03 v1(86.48,35.49) ; v1(86.46,19.1) 86.76,18.8 Q1.2 ; v1(91.6,50.37) 89.79,52.18 C33.1 ; v1(86.77,27.27) 86.95,27.09 Q2.2 ; J8.S1 6.79,19.13 J8.A1 ; U11.4 98.52,74.39 v1(98.49,74.41)
  Top w2: 8.98,84.45 C17.2 8.73,84.45 4.31,88.87 A1.7 ; D3.2 86.1,75.22 C27.2 ; A2.7 46.31,88.87 50.73,84.45 C18.2 50.62,84.45 ; A5.7 67.12,65.56 71.17,61.51 C21.2 71.37,61.51 ; 29.62,84.45 C22.2 29.73,84.45 25.31,88.87 A6.7 ; 71.62,84.45 C19.2 71.48,84.45 67.31,88.62 A3.7 ; C20.2 50.23,61.58 46.14,65.67 A4.7
  vias: v1(51.37,25.66) v1(69.2,74.43) v1(87.84,73.78) v1(87.84,72.58) v1(89.04,73.78) v1(89.04,72.58) v2(13.61,74.95) v2(15.79,84.83) v2(17.97,84.85) v2(19.81,84.87) v2(29.5,70.11) v2(29.51,61.01) v2(37.08,84.94) v2(38.8,84.94) v2(40.6,84.94) v2(46.23,56.87) v2(48.4,13.89) v2(48.45,16.22) v2(48.48,11.16) v2(50.76,18.68) v2(58.55,11.24) v2(61.27,57.88) v2(63.35,41.77) v2(63.84,44.88) v2(63.98,39.81) v2(68.57,11.36) v2(69.07,78.84) v2(75.96,40.73)
VBUS: length 22.9
  Top w0.25: J8.A4 6.12,17.79 5.43,17.1 5.43,13.68 6.12,12.99 J8.A9 7.62,12.99 8.05,12.56 11.86,12.56 12.61,13.31 12.61,15.28 13.01,15.69 U10.35
  Top w0.5: D5.2 7.82,20.39 7.82,17.93 7.68,17.79 J8.A4
/Aux headers/1_A1: length 37.1
  Top w0.25: v2(63.06,40.75) 62.43,40.12 U1.15
  Bottom w0.25: v2(63.06,40.75) 62.22,40.75 54.77,33.3 54.77,31.88 46.17,23.28 43.68,23.28 42.16,21.77 42.16,20.66 42.91,19.91 44.01,19.91 45.24,18.68 J18.9
/Aux headers/1_A2: length 30
  Top w0.25: J18.11 47.29,22.63 47.29,32.47 48.16,33.33 51.94,33.33 53.57,34.96 53.57,36.03 57.77,40.23 59.67,40.23 60.06,40.62 U1.16
/Aux headers/1_PWM1: length 20.4
  Top w0.25: U1.77 48.27,19.33 46.25,17.32 45.32,17.32 44.7,16.7 44.7,14.78 J18.5
/Aux headers/1_PWM2: length 39.2
  Top w0.25: U1.30 57.77,42.16 v2(52.8,37.19)
  In2.Cu w0.25: J18.7 44.64,17.38 44.64,23.31 45.77,24.43 45.77,34.53 47.37,36.13 49.27,36.13 50.32,37.19 v2(52.8,37.19)
/Aux headers/2_A1: length 32.2
  Top w0.25: U1.17 59.63,41.12 v2(59.37,40.86) ; J19.9 54.76,19.86 52.97,19.86 49.46,23.37 49.46,27.5 v2(49.47,27.51)
  Bottom w0.25: v2(49.47,27.51) 54.27,32.31 54.27,33.44 59.37,38.54 v2(59.37,40.86)
/Aux headers/2_A2: length 27.4
  Top w0.25: v2(58.07,33.76) 58.07,34.26 55.66,36.67 v2(55.1,36.67) ; v2(56.37,39.76) 58.23,41.62 U1.18
  Bottom w0.25: v2(56.37,39.76) 55.1,38.49 v2(55.1,36.67) ; v2(58.07,33.76) 58.07,23.35 J19.11
/Aux headers/2_PWM1: length 44.9
  Top w0.25: U1.31 57.27,42.76 52.17,37.66 v2(52.17,36.56)
  In2.Cu w0.25: J19.5 54.68,14.86 52.94,14.86 50.13,17.67 50.13,19.59 46.32,23.41 46.32,34.44 47.53,35.66 51.27,35.66 v2(52.17,36.56)
/Aux headers/2_PWM2: length 42.7
  Top w0.25: U1.32 56.77,43.26 v2(52.57,39.06)
  In2.Cu w0.25: v2(52.57,39.06) 53.42,38.21 53.42,36.89 51.19,34.66 47.17,34.66 46.77,34.26 46.77,23.6 52.91,17.46 54.62,17.46 J19.7
/Aux headers/3_A1: length 34.3
  Top w0.25: v2(55.83,37.37) 55.83,37.28 60.52,32.59 61.34,32.59 62.74,31.19 62.74,30.99 64.81,28.92 64.81,19.89 J20.9 ; U1.23 60.36,44.12 60.1,43.86 59.05,43.86 v2(58.75,44.16)
  Bottom w0.25: v2(58.75,44.16) 57.27,42.68 57.27,38.81 v2(55.83,37.37)
/Aux headers/3_A2: length 39.4
  Top w0.25: v2(60.03,44.67) 60.08,44.62 U1.24 ; v2(70.47,39.93) 70.48,39.92 70.48,31.16 65.99,26.67 J20.11
  Bottom w0.25: v2(70.47,39.93) 70.71,39.93 72.31,41.53 72.31,42.58 69.38,45.51 60.86,45.51 v2(60.03,44.67)
/Aux headers/3_PWM1: length 22.4
  Top w0.25: J20.5 64.81,14.81 63.07,14.81 59.69,18.19 59.69,26.6 57.27,29.02 U1.95
/Aux headers/3_PWM2: length 19.7
  Top w0.25: U1.96 57.77,29.16 60.14,26.79 60.14,20.28 63.07,17.35 64.81,17.35 J20.7
/Aux headers/CIPO: length 235.3
  Top w0.25: v2(35.01,79.71) 44.28,79.71 v2(44.35,79.78) ; v2(47.78,44.22) 50.66,41.34 v2(53.77,41.34) ; U1.90 54.77,24.46 57.27,21.96 57.27,18.06 56.67,17.46 54.72,17.46 J19.8 ; v2(63.19,79.77) 63.18,79.78 v2(55.33,79.78) ; v2(57.42,56.4) 69.06,56.4 70.67,58.01 72.67,58.01 73.17,57.51 73.17,55.86 73.35,55.68 74.99,55.68 75.52,56.21 75.52,57.59 v2(75.54,57.61) 75.99,57.61 83.94,65.55 83.94,69.76 83.23,70.47 83.23,76.06 83.68,76.51 83.68,77.59 82.29,78.98 v2(80.95,78.98)
  In2.Cu w0.25: v2(21.11,79.82) 21.29,79.64 34.94,79.64 v2(35.01,79.71) ; v2(55.33,79.78) v2(44.35,79.78) ; v2(80.95,78.98) 80.16,79.77 v2(63.19,79.77)
  Bottom w0.25: v2(21.11,79.82) 14.3,79.82 12.85,81.27 JP4.3 ; v2(53.77,41.34) 55.74,43.32 55.74,51.53 57.47,53.26 57.47,56.35 v2(57.42,56.4) 57.19,56.4 JP16.3 ; v2(35.01,79.71) 34.94,79.78 33.75,79.78 33.38,80.15 33.38,81.65 JP24.3 ; JP12.3 77.72,80.07 79.32,80.07 80.41,78.98 v2(80.95,78.98) ; v2(47.78,44.22) 47.26,44.22 40.76,37.72 40.76,18.72 J18.8 44.52,14.96 52.22,14.96 J19.8 54.58,14.96 62.24,14.96 J20.8 ; v2(55.33,79.78) 54.98,80.13 JP8.3 ; JP20.3 75.54,59.3 v2(75.54,57.61)
/Aux headers/COPI: length 228.3
  Top w0.25: J19.10 51.97,17.25 51.97,15.46 52.65,14.78 56.59,14.78 57.87,16.06 57.87,22.26 55.27,24.86 U1.91 ; 62,59.94 61.49,60.45 61.49,62.14 62.51,63.15 62.51,67.83 61.27,69.07 60.64,69.07 58.87,70.84 58.87,72.06 59.56,72.75 62.14,72.75 66.09,76.7 66.09,78.67 v2(66.29,78.87) 55.27,78.87 v2(55.24,78.84) ; 62,59.94 44.93,59.94 v2(44.05,59.06) ; 62,59.94 64.76,59.94 v2(64.87,59.83)
  In2.Cu w0.25: v2(46.51,78.91) 46.58,78.84 v2(55.24,78.84) ; v2(12.98,79.05) v2(4.38,79.05) ; v2(25.2,79.02) 25.31,78.91 v2(34.12,78.91)
  Bottom w0.25: v2(34.12,78.91) v2(46.51,78.91) 45.98,79.44 JP5.3 ; v2(44.05,59.06) 45.53,59.06 JP13.3 44.87,58.28 44.87,53.68 45.6,52.95 47.5,52.95 48.48,51.97 49.69,51.97 54.77,46.9 54.77,43.76 53.47,42.46 51.62,42.46 50.77,41.61 50.77,33.62 41.71,24.57 41.71,20.31 J18.10 44.52,17.5 52.22,17.5 J19.10 54.58,17.5 62.24,17.5 J20.10 ; JP21.3 24.87,79.34 v2(25.2,79.02) 13.02,79.02 v2(12.98,79.05) ; v2(64.87,59.83) 65.36,59.34 JP17.3 ; JP9.3 66.76,79.34 v2(66.29,78.87) ; JP1.3 3.85,79.58 v2(4.38,79.05)
/Aux headers/SCK: length 216.9
  Top w0.25: U1.89 54.27,22.09 J19.12 ; v2(48.71,80.46) 48.59,80.58 v2(35.77,80.58) ; v2(43.37,24.29) 43.34,24.26 J18.12 ; v2(48.75,57.88) 50.36,59.49 64.01,59.49 65.29,58.21 v2(68.95,58.21) 69.51,58.21 70.49,59.19 73.35,59.19 78.53,64.37 78.53,67.18 81.48,70.13 81.99,70.13 82.33,70.47 82.33,73.79 81.39,74.72 73.05,74.72 71.26,76.51 71.26,79.12 v2(69.78,80.6) 56.21,80.6 v2(56.19,80.58) ; v2(14.72,80.55) v2(28,80.55)
  In2.Cu w0.25: v2(6.26,79.9) 6.27,79.91 14.08,79.91 v2(14.72,80.55) ; v2(56.19,80.58) 55.73,81.04 49.29,81.04 v2(48.71,80.46) ; v2(28,80.55) 28.78,81.33 35.02,81.33 v2(35.77,80.58)
  Bottom w0.25: JP23.3 27.87,80.68 v2(28,80.55) ; v2(43.37,24.29) 43.37,25.59 51.37,33.59 51.37,41.58 51.75,41.96 53.67,41.96 55.27,43.56 55.27,47.03 49.77,52.53 48.56,52.53 47.47,53.62 47.47,57.88 JP15.3 48.75,58.84 v2(48.75,57.88) ; JP3.3 6.85,80.49 v2(6.26,79.9) ; JP11.3 69.76,80.62 v2(69.78,80.6) ; J18.12 44.52,20.04 52.22,20.04 J19.12 54.58,20.04 62.24,20.04 J20.12 ; v2(48.71,80.46) 48.71,81.64 JP7.3 ; v2(68.95,58.21) 69.5,58.76 JP19.3
/Lighting/DOWNWARDS: length 33
  Top w0.25: v2(20.39,42.75) 39.51,42.75 44.14,38.12 U1.65
  Bottom w0.25: v2(20.39,42.75) 19.47,42.75 J13.1
/Lighting/UPWARDS: length 46.7
  Top w0.25: U1.64 44.27,38.62 39.7,43.2 22.9,43.2 21.53,44.57 21.53,56.93 J14.1
/Limit switches/A: length 9.8
  Top w0.25: J7.1 39.12,34.83 41.91,37.62 U1.66
/Limit switches/L: length 17.6
  Top w0.25: U1.67 42.05,37.12 38.46,33.53 31.83,33.53 J5.1
/Limit switches/R: length 29.2
  Top w0.25: v2(43.07,36.36) 41.93,36.36 38.65,33.08 25.37,33.08 J6.1 ; v2(47.57,40.56) 47.51,40.62 U1.60
  Bottom w0.25: v2(47.57,40.56) 47.27,40.56 v2(43.07,36.36)
/Limit switches/X: length 25.2
  Top w0.25: U1.63 44.41,39.12 39.88,43.65 25.93,43.65 J2.1
/Limit switches/Y: length 18.1
  Top w0.25: J3.1 32.32,44.1 40.07,44.1 44.55,39.62 U1.62
/Limit switches/Z: length 11.1
  Top w0.25: U1.61 44.68,40.12 39.36,45.44 37.89,45.44 J4.1
/Microcontroller/BOOT0: length 47.2
  Top w0.25: U1.94 56.77,32.51 57.32,33.06 v2(58.77,33.06) ; R5.1 79.95,28.2 SW2.1 SW2.1 ; C16.1 72.01,28.28 SW2.1 ; SW2.1 72.01,24.6 v2(71.08,25.53)
  Bottom w0.25: TP6.1 72.85,23.76 v2(71.08,25.53) 71.08,26.11 64.13,33.06 v2(58.77,33.06)
/Microcontroller/BOOT1: length 2.4
  Top w0.25: U1.37 54.27,49.11 R3.1
/Microcontroller/NRST: length 43.3
  Top w0.25: 80,38.34 J1.10 78.4,39.79 77.98,40.21 77.98,47.9 SW1.2 SW1.2 70.01,47.88 70.01,44.71 67.48,42.18 66.14,42.18 C15.1 64.07,42.21 64.07,40.88 62.81,39.62 U1.14 ; 80,38.34 80,38.34 v2(80.42,38.76) ; 80,38.34 R4.2
  Bottom w0.25: TP3.1 80.17,38.76 v2(80.42,38.76)
/Microcontroller/PA2: length 20.5
  Top w0.25: v2(63.83,47.51) 62.74,46.42 62.69,46.42 62.69,46.07 61.74,45.12 U1.25
  Bottom w0.25: v2(63.83,47.51) 66.31,47.51 70.2,51.39 70.2,52.97 70.97,53.74 70.97,54.54 72.5,56.07 JP18.3
/Microcontroller/PA3: length 10.7
  Top w0.25: A5.9 64.21,53.73 64.21,48.85 62.16,46.8 U1.26
/Microcontroller/PA4: length 51.5
  Top w0.25: v2(78.47,56.36) 77.95,56.36 75.97,54.38 75.97,53.66 74.16,51.85 v2(72.17,51.85) ; v2(58.31,48.1) 58.27,48.06 U1.29
  In2.Cu w0.25: v2(78.27,62.13) 78.27,62.55 78.8,63.09 80.83,63.09 84.29,66.54 84.29,75.31 A3.16
  Bottom w0.25: v2(72.17,51.85) 67.2,46.88 59.54,46.88 v2(58.31,48.1) ; v2(78.27,62.13) 78.27,56.56 v2(78.47,56.36)
